# KiCad board input-output.Multi.kicad_pcb
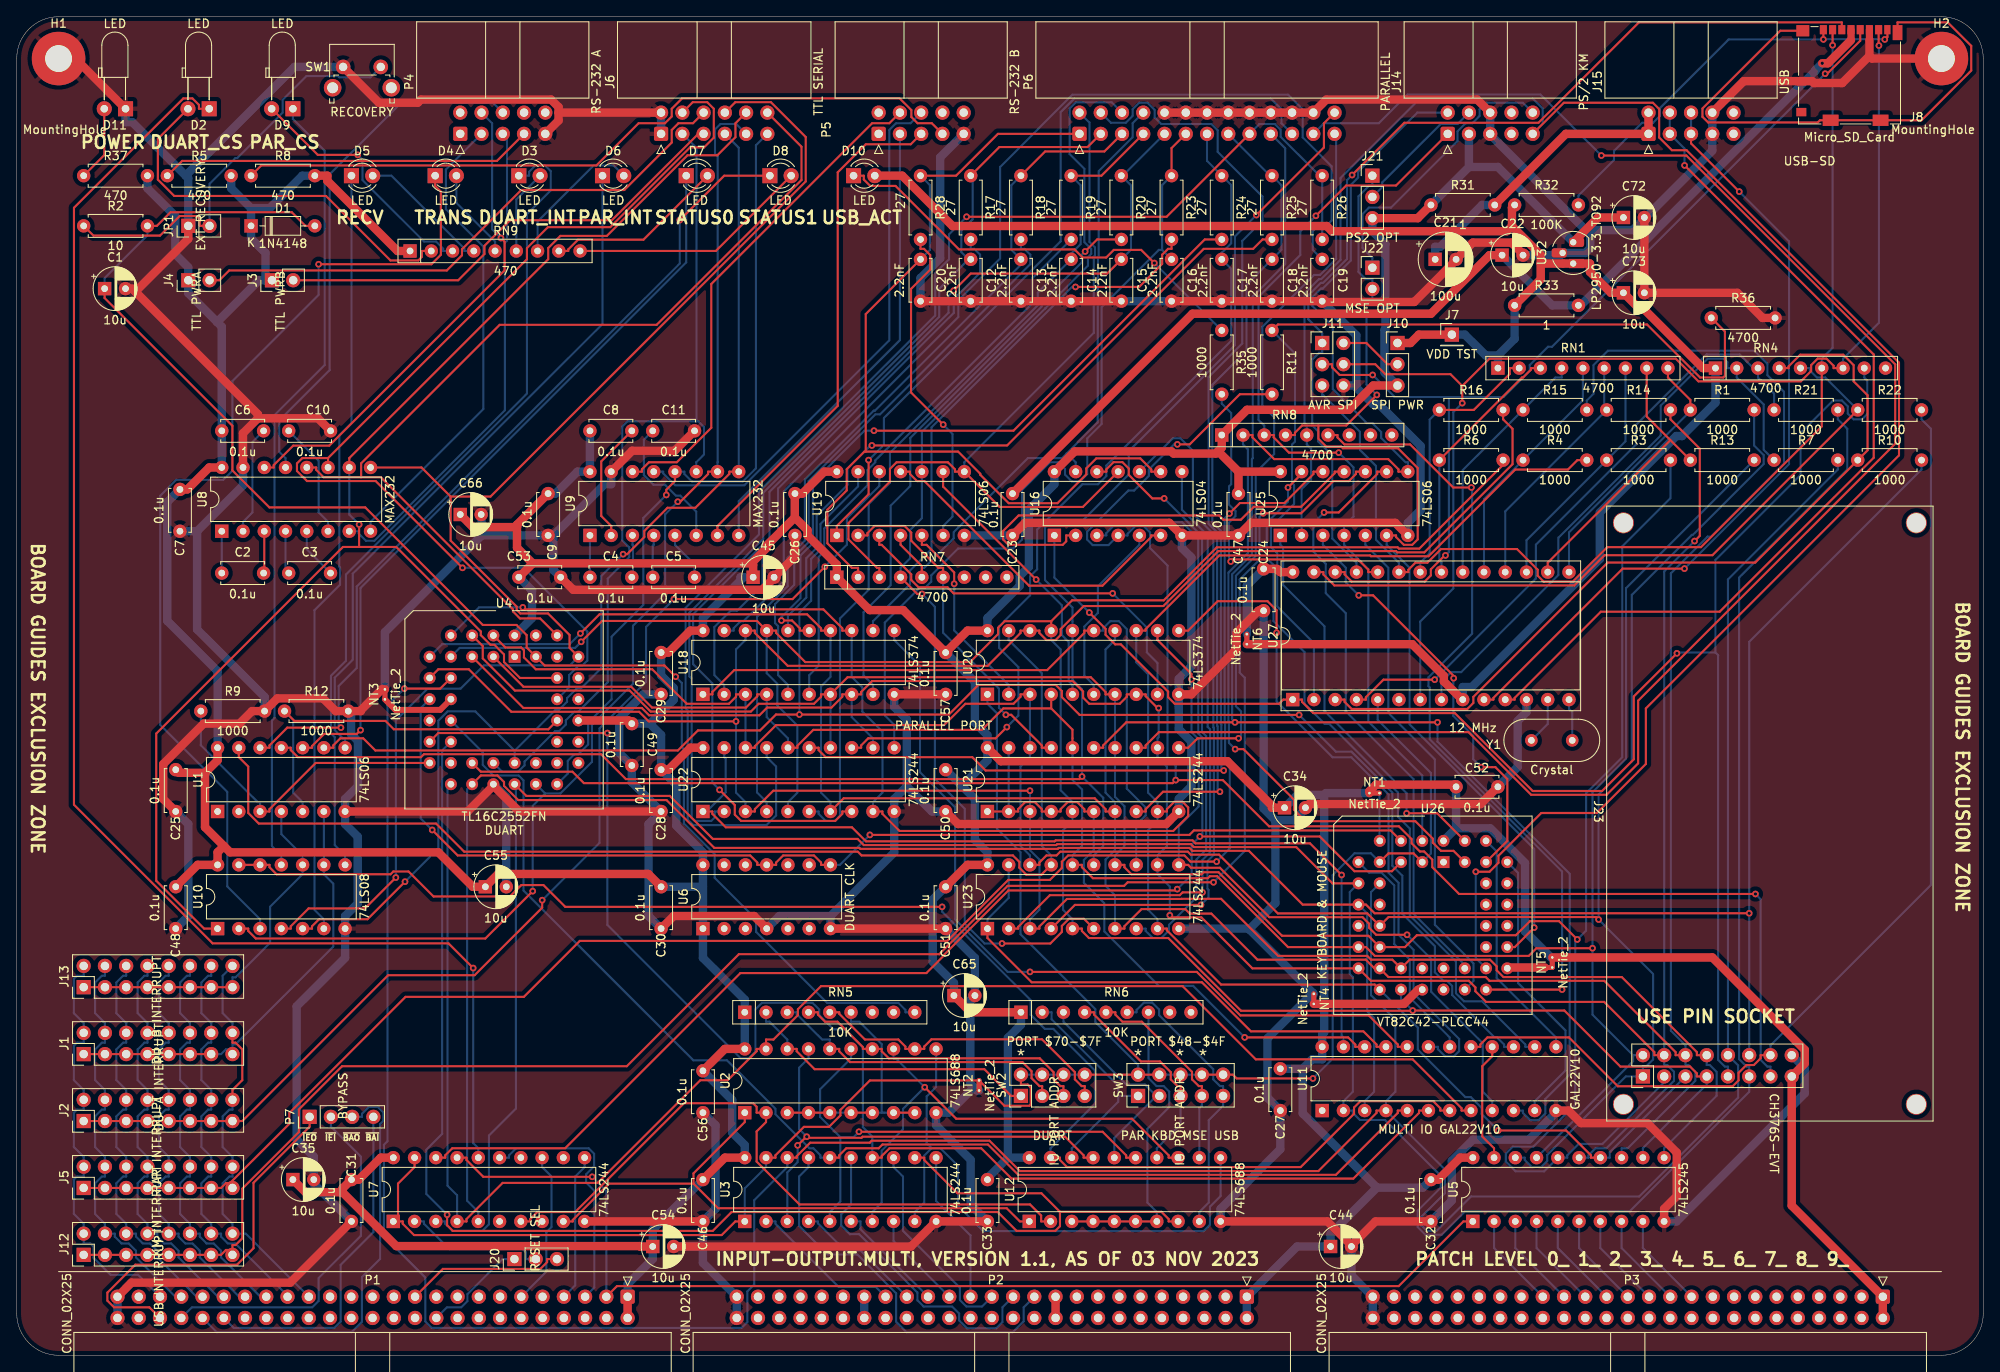
[diagram p0: board, top side]
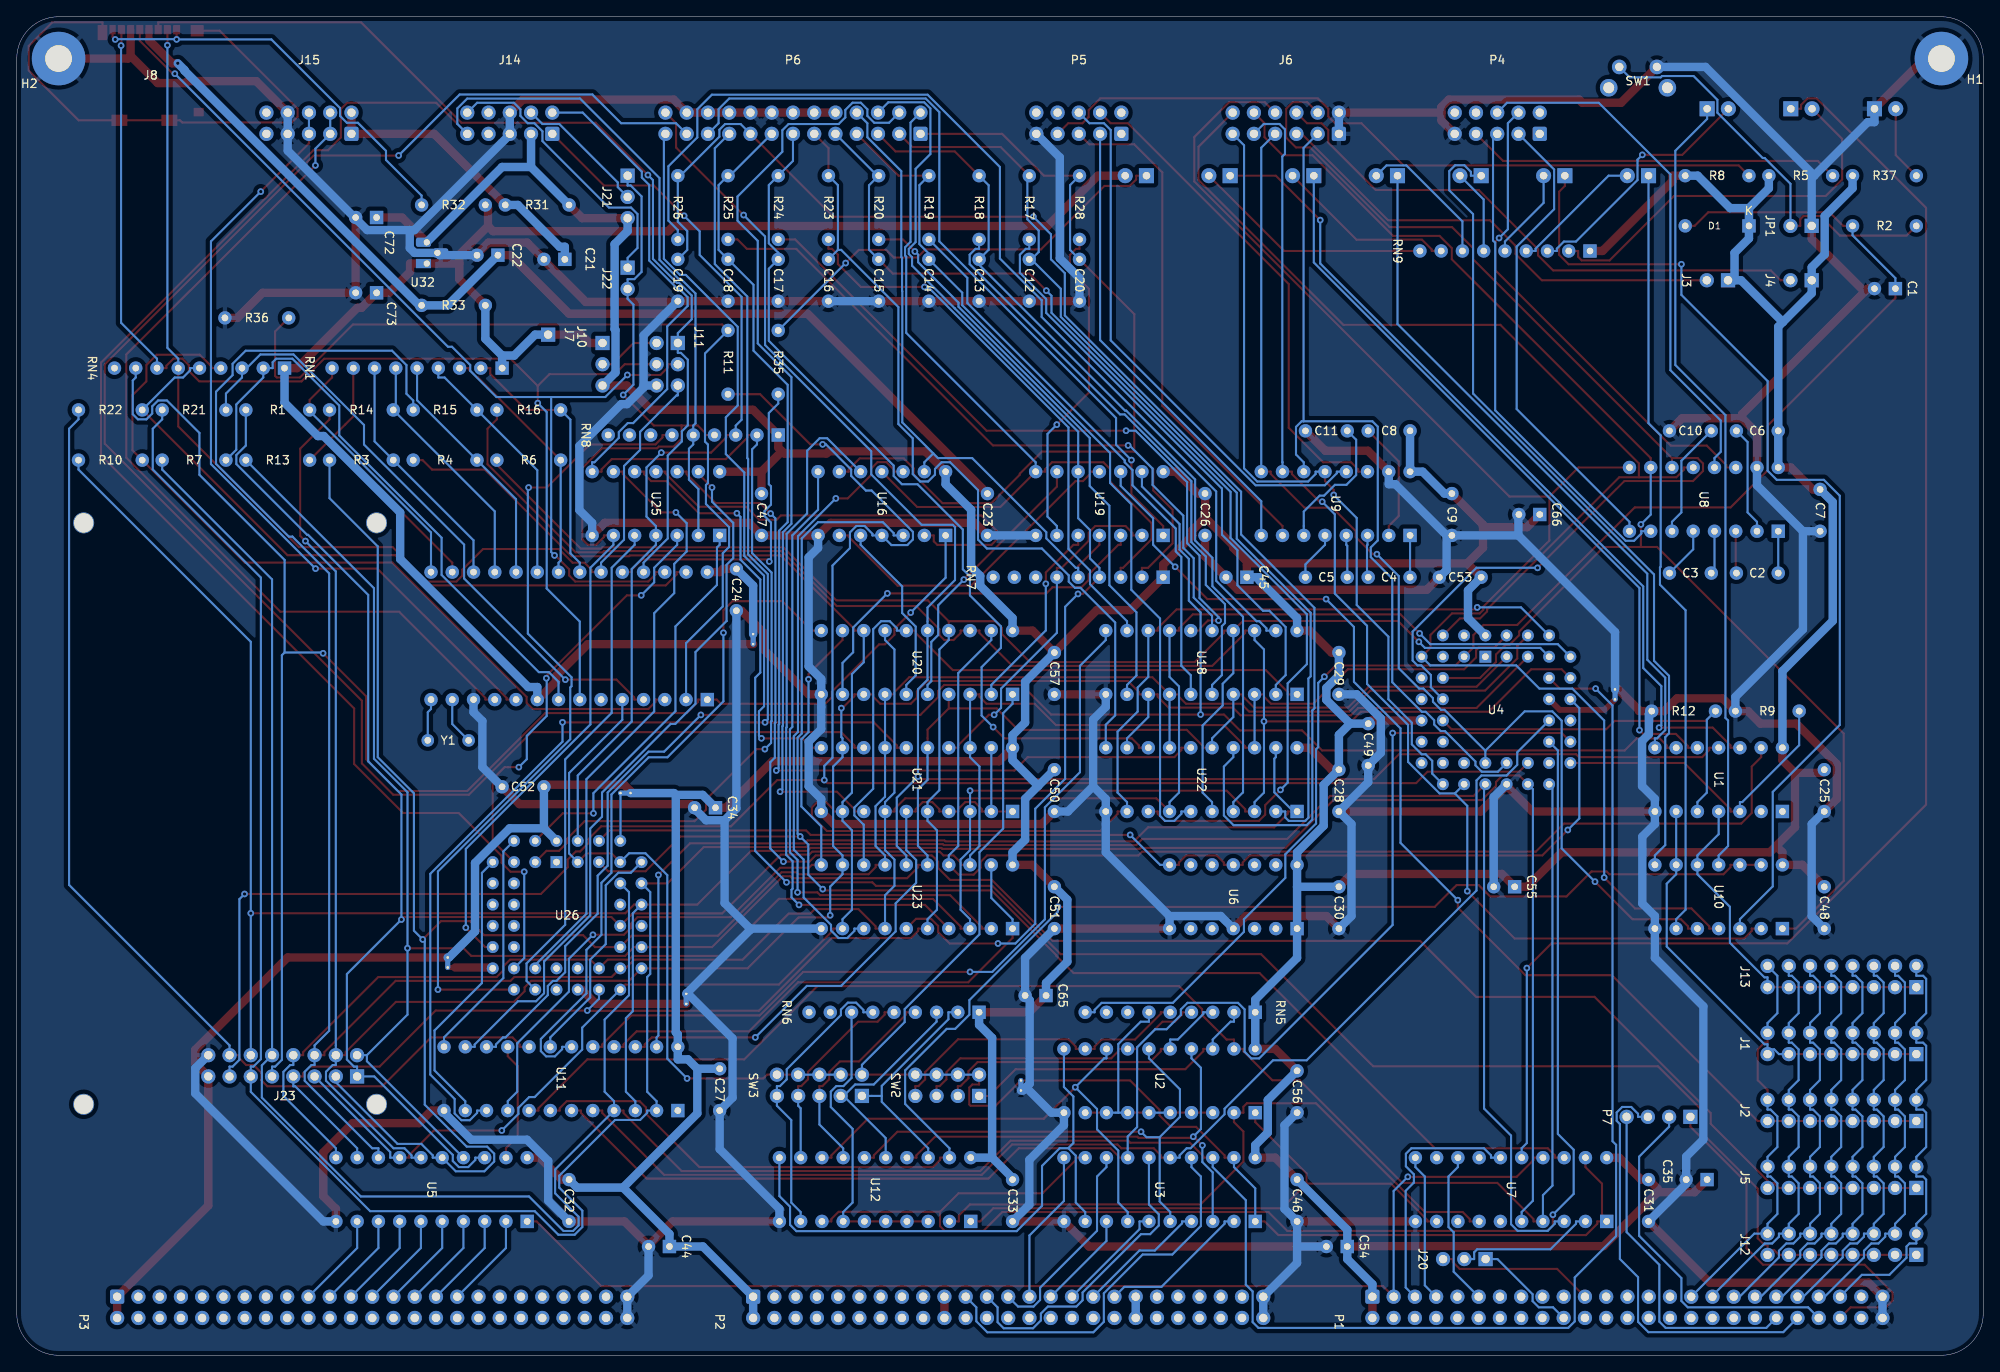
[diagram p1: board, bottom side, seen from below]

Outline 235 x 160 mm; copper layers: Top, Bottom. Coordinates in mm from the lower left corner of the outline.
Outline path: 0,155 0,5 arc(1.46,1.46) 5,0 230,0 arc(233.54,1.46) 235,5 235,155 arc(233.54,158.54) 230,160 5,160 arc(1.46,158.54) 0,155
Stack: Top 0.035mm / dielectric 1.51mm FR4 er 4.5 / Bottom 0.035mm

## Placement (name value [footprint] x y rotation side)
C1  10u  [CP_Radial_D5.0mm_P2.50mm]  10.5 127.5 0 top
C2  0.1u  [C_Disc_D5.0mm_W2.5mm_P5.00mm]  24.5 93.5 0 top
C3  0.1u  [C_Disc_D5.0mm_W2.5mm_P5.00mm]  32.5 93.5 0 top
C4  0.1u  [C_Disc_D5.0mm_W2.5mm_P5.00mm]  68.5 93 0 top
C5  0.1u  [C_Disc_D5.0mm_W2.5mm_P5.00mm]  76 93 0 top
C6  0.1u  [C_Disc_D5.0mm_W2.5mm_P5.00mm]  24.5 110.5 0 top
C7  0.1u  [C_Disc_D5.0mm_W2.5mm_P5.00mm]  19.5 103.5 270 top
C8  0.1u  [C_Disc_D5.0mm_W2.5mm_P5.00mm]  68.5 110.5 0 top
C9  0.1u  [C_Disc_D5.0mm_W2.5mm_P5.00mm]  63.5 103 270 top
C10  0.1u  [C_Disc_D5.0mm_W2.5mm_P5.00mm]  32.5 110.5 0 top
C11  0.1u  [C_Disc_D5.0mm_W2.5mm_P5.00mm]  76 110.5 0 top
C12  2.2nF  [C_Disc_D5.0mm_W2.5mm_P5.00mm]  114 131 270 top
C13  2.2nF  [C_Disc_D5.0mm_W2.5mm_P5.00mm]  120 131 270 top
C14  2.2nF  [C_Disc_D5.0mm_W2.5mm_P5.00mm]  126 131 270 top
C15  2.2nF  [C_Disc_D5.0mm_W2.5mm_P5.00mm]  132 131 270 top
C16  2.2nF  [C_Disc_D5.0mm_W2.5mm_P5.00mm]  138 131 270 top
C17  2.2nF  [C_Disc_D5.0mm_W2.5mm_P5.00mm]  144 131 270 top
C18  2.2nF  [C_Disc_D5.0mm_W2.5mm_P5.00mm]  150 131 270 top
C19  2.2nF  [C_Disc_D5.0mm_W2.5mm_P5.00mm]  156 131 270 top
C20  2.2nF  [C_Disc_D5.0mm_W2.5mm_P5.00mm]  108 131 270 top
C21  100u  [CP_Radial_D6.3mm_P2.50mm]  169.5 131 0 top
C22  10u  [CP_Radial_D5.0mm_P2.50mm]  177.5 131.5 0 top
C23  0.1u  [C_Disc_D5.0mm_W2.5mm_P5.00mm]  119 103 270 top
C24  0.1u  [C_Disc_D5.0mm_W2.5mm_P5.00mm]  149 94 270 top
C25  0.1u  [C_Disc_D5.0mm_W2.5mm_P5.00mm]  19 70 270 top
C26  0.1u  [C_Disc_D5.0mm_W2.5mm_P5.00mm]  93 103 270 top
C27  0.1u  [C_Disc_D5.0mm_W2.5mm_P5.00mm]  151 34.25 270 top
C28  0.1u  [C_Disc_D5.0mm_W2.5mm_P5.00mm]  77 70 270 top
C29  0.1u  [C_Disc_D5.0mm_W2.5mm_P5.00mm]  77 84 270 top
C30  0.1u  [C_Disc_D5.0mm_W2.5mm_P5.00mm]  77 56 270 top
C31  0.1u  [C_Disc_D5.0mm_W2.5mm_P5.00mm]  40 21 270 top
C32  0.1u  [C_Disc_D5.0mm_W2.5mm_P5.00mm]  169 21 270 top
C33  0.1u  [C_Disc_D5.0mm_W2.5mm_P5.00mm]  116 21 270 top
C34  10u  [CP_Radial_D5.0mm_P2.50mm]  151.5 65.45 0 top
C35  10u  [CP_Radial_D5.0mm_P2.50mm]  33 21 0 top
C44  10u  [CP_Radial_D5.0mm_P2.50mm]  157 13 0 top
C45  10u  [CP_Radial_D5.0mm_P2.50mm]  88 93 0 top
C46  0.1u  [C_Disc_D5.0mm_W2.5mm_P5.00mm]  82 21 270 top
C47  0.1u  [C_Disc_D5.0mm_W2.5mm_P5.00mm]  146 103 270 top
C48  0.1u  [C_Disc_D5.0mm_W2.5mm_P5.00mm]  19 56 270 top
C49  0.1u  [C_Disc_D5.0mm_W2.5mm_P5.00mm]  73.5 75.5 270 top
C50  0.1u  [C_Disc_D5.0mm_W2.5mm_P5.00mm]  111 70 270 top
C51  0.1u  [C_Disc_D5.0mm_W2.5mm_P5.00mm]  111 56 270 top
C52  0.1u  [C_Disc_D5.0mm_W2.5mm_P5.00mm]  172 67.95 0 top
C53  0.1u  [C_Disc_D5.0mm_W2.5mm_P5.00mm]  60 93 0 top
C54  10u  [CP_Radial_D5.0mm_P2.50mm]  76 13 0 top
C55  10u  [CP_Radial_D5.0mm_P2.50mm]  56 56 0 top
C56  0.1u  [C_Disc_D5.0mm_W2.5mm_P5.00mm]  82 34 270 top
C57  0.1u  [C_Disc_D5.0mm_W2.5mm_P5.00mm]  111 84 270 top
C65  10u  [CP_Radial_D5.0mm_P2.50mm]  112 43 0 top
C66  10u  [CP_Radial_D5.0mm_P2.50mm]  53 100.5 0 top
C72  10u  [CP_Radial_D5.0mm_P2.50mm]  192 136 0 top
C73  10u  [CP_Radial_D5.0mm_P2.50mm]  192 127 0 top
D1  1N4148  [D_DO-35_SOD27_P7.62mm_Horizontal]  28 135 0 top
D2  LED  [LED_D3.0mm_Horizontal_O3.81mm_Z2.0mm]  23 149 180 top
D3  LED  [LED_D3.0mm]  60 141 0 top
D4  LED  [LED_D3.0mm]  50 141 0 top
D5  LED  [LED_D3.0mm]  40 141 0 top
D6  LED  [LED_D3.0mm]  70 141 0 top
D7  LED  [LED_D3.0mm]  80 141 0 top
D8  LED  [LED_D3.0mm]  90 141 0 top
D9  LED  [LED_D3.0mm_Horizontal_O3.81mm_Z2.0mm]  33 149 180 top
D10  LED  [LED_D3.0mm]  100 141 0 top
D11  LED  [LED_D3.0mm_Horizontal_O3.81mm_Z2.0mm]  13 149 180 top
H1  MountingHole  [MountingHole_3.2mm_M3_Pad]  5 155 0 top
H2  MountingHole  [MountingHole_3.2mm_M3_Pad]  230 155 0 top
J1  DU-A INTERRUPT  [PinHeader_2x08_P2.54mm_Vertical]  8 36 90 top
J2  PAR INTERRUPT  [PinHeader_2x08_P2.54mm_Vertical]  8 28 90 top
J3  TTL PWRB  [PinHeader_1x02_P2.54mm_Vertical]  30.5 128.5 90 top
J4  TTL PWRA  [PinHeader_1x02_P2.54mm_Vertical]  20.5 128.5 90 top
J5  KM INTERRUPT  [PinHeader_2x08_P2.54mm_Vertical]  8 20 90 top
J6  TTL SERIAL  [IDC-Header_2x06_P2.54mm_Horizontal]  77 146 90 top
J7  VDD TST  [PinHeader_1x01_P2.54mm_Vertical]  171.5 122 0 top
J8  Micro_SD_Card  [microSD_HC_Molex_104031-0811]  219 153 0 top
J10  SPI PWR  [PinHeader_1x03_P2.54mm_Vertical]  165 121 0 top
J11  AVR SPI  [PinHeader_2x03_P2.54mm_Vertical]  156 121 0 top
J12  USB INTERRUPT  [PinHeader_2x08_P2.54mm_Vertical]  8 12 90 top
J13  DU-B INTERRUPT  [PinHeader_2x08_P2.54mm_Vertical]  8 44 90 top
J14  PS/2 KM  [IDC-Header_2x05_P2.54mm_Horizontal]  171 146 90 top
J15  USB  [IDC-Header_2x05_P2.54mm_Horizontal]  195 146 90 top
J20  RESET SEL  [PinHeader_1x03_P2.54mm_Vertical]  59.47 11.5 90 top
J21  PS2 OPT  [PinHeader_1x03_P2.54mm_Vertical]  162 141 0 top
J22  MSE OPT  [PinHeader_1x02_P2.54mm_Vertical]  162 130 0 top
J23  -  [CH376S-EVT]  210 65 270 top
JP1  EXT RECOVERY  [PinHeader_1x02_P2.54mm_Vertical]  20.5 135 90 top
NT1  NetTie_2  [NetTie-2_THT_Pad0.3mm]  161.65 67.2 0 top
NT2  NetTie_2  [NetTie-2_THT_Pad0.3mm]  115 31.65 90 top
NT3  NetTie_2  [NetTie-2_THT_Pad0.3mm]  44 78.4 90 top
NT4  NetTie_2  [NetTie-2_THT_Pad0.3mm]  155 43.2 270 top
NT5  NetTie_2  [NetTie-2_THT_Pad0.3mm]  183.5 46.35 90 top
NT6  NetTie_2  [NetTie-2_THT_Pad0.3mm]  147 86.2 270 top
P1  CONN_02X25  [IDC-Header_2x25_P2.54mm_Horizontal]  73 7 270 top
P2  CONN_02X25  [IDC-Header_2x25_P2.54mm_Horizontal]  147 7 270 top
P3  CONN_02X25  [IDC-Header_2x25_P2.54mm_Horizontal]  223 7 270 top
P4  RS-232 A  [IDC-Header_2x05_P2.54mm_Horizontal]  53 146 90 top
P5  RS-232 B  [IDC-Header_2x05_P2.54mm_Horizontal]  103 146 90 top
P6  PARALLEL  [IDC-Header_2x13_P2.54mm_Horizontal]  127 146 90 top
P7  BYPASS  [PinHeader_1x04_P2.54mm_Vertical]  35 28.5 90 top
R1  1000  [R_Axial_DIN0207_L6.3mm_D2.5mm_P7.62mm_Horizontal]  200 113 0 top
R2  10  [R_Axial_DIN0207_L6.3mm_D2.5mm_P7.62mm_Horizontal]  8 135 0 top
R3  1000  [R_Axial_DIN0207_L6.3mm_D2.5mm_P7.62mm_Horizontal]  190 107 0 top
R4  1000  [R_Axial_DIN0207_L6.3mm_D2.5mm_P7.62mm_Horizontal]  180 107 0 top
R5  470  [R_Axial_DIN0207_L6.3mm_D2.5mm_P7.62mm_Horizontal]  18 141 0 top
R6  1000  [R_Axial_DIN0207_L6.3mm_D2.5mm_P7.62mm_Horizontal]  170 107 0 top
R7  1000  [R_Axial_DIN0207_L6.3mm_D2.5mm_P7.62mm_Horizontal]  210 107 0 top
R8  470  [R_Axial_DIN0207_L6.3mm_D2.5mm_P7.62mm_Horizontal]  28 141 0 top
R9  1000  [R_Axial_DIN0207_L6.3mm_D2.5mm_P7.62mm_Horizontal]  22 77 0 top
R10  1000  [R_Axial_DIN0207_L6.3mm_D2.5mm_P7.62mm_Horizontal]  220 107 0 top
R11  1000  [R_Axial_DIN0207_L6.3mm_D2.5mm_P7.62mm_Horizontal]  150 122.5 270 top
R12  1000  [R_Axial_DIN0207_L6.3mm_D2.5mm_P7.62mm_Horizontal]  32 77 0 top
R13  1000  [R_Axial_DIN0207_L6.3mm_D2.5mm_P7.62mm_Horizontal]  200 107 0 top
R14  1000  [R_Axial_DIN0207_L6.3mm_D2.5mm_P7.62mm_Horizontal]  190 113 0 top
R15  1000  [R_Axial_DIN0207_L6.3mm_D2.5mm_P7.62mm_Horizontal]  180 113 0 top
R16  1000  [R_Axial_DIN0207_L6.3mm_D2.5mm_P7.62mm_Horizontal]  170 113 0 top
R17  27  [R_Axial_DIN0207_L6.3mm_D2.5mm_P7.62mm_Horizontal]  114 141 270 top
R18  27  [R_Axial_DIN0207_L6.3mm_D2.5mm_P7.62mm_Horizontal]  120 141 270 top
R19  27  [R_Axial_DIN0207_L6.3mm_D2.5mm_P7.62mm_Horizontal]  126 141 270 top
R20  27  [R_Axial_DIN0207_L6.3mm_D2.5mm_P7.62mm_Horizontal]  132 141 270 top
R21  1000  [R_Axial_DIN0207_L6.3mm_D2.5mm_P7.62mm_Horizontal]  210 113 0 top
R22  1000  [R_Axial_DIN0207_L6.3mm_D2.5mm_P7.62mm_Horizontal]  220 113 0 top
R23  27  [R_Axial_DIN0207_L6.3mm_D2.5mm_P7.62mm_Horizontal]  138 141 270 top
R24  27  [R_Axial_DIN0207_L6.3mm_D2.5mm_P7.62mm_Horizontal]  144 141 270 top
R25  27  [R_Axial_DIN0207_L6.3mm_D2.5mm_P7.62mm_Horizontal]  150 141 270 top
R26  27  [R_Axial_DIN0207_L6.3mm_D2.5mm_P7.62mm_Horizontal]  156 141 270 top
R28  27  [R_Axial_DIN0207_L6.3mm_D2.5mm_P7.62mm_Horizontal]  108 141 270 top
R31  1  [R_Axial_DIN0207_L6.3mm_D2.5mm_P7.62mm_Horizontal]  169 137.5 0 top
R32  100K  [R_Axial_DIN0207_L6.3mm_D2.5mm_P7.62mm_Horizontal]  179 137.5 0 top
R33  1  [R_Axial_DIN0207_L6.3mm_D2.5mm_P7.62mm_Horizontal]  179 125.5 0 top
R35  1000  [R_Axial_DIN0207_L6.3mm_D2.5mm_P7.62mm_Horizontal]  144 122.5 270 top
R36  4700  [R_Axial_DIN0207_L6.3mm_D2.5mm_P7.62mm_Horizontal]  202.5 124 0 top
R37  470  [R_Axial_DIN0207_L6.3mm_D2.5mm_P7.62mm_Horizontal]  8 141 0 top
RN1  4700  [R_Array_SIP9]  177 118 0 top
RN4  4700  [R_Array_SIP9]  203 118 0 top
RN5  10K  [R_Array_SIP9]  87 41 0 top
RN6  10K  [R_Array_SIP9]  120 41 0 top
RN7  4700  [R_Array_SIP9]  98 93 0 top
RN8  4700  [R_Array_SIP9]  144 110 0 top
RN9  470  [R_Array_SIP9]  47 132 0 top
SW1  RECOVERY  [SW_Tactile_SPST_Angled_PTS645Vx58-2LFS]  39 154 0 top
SW2  IO PORT ADDR  [PinHeader_2x04_P2.54mm_Vertical]  120 31 90 top
SW3  IO PORT ADDR  [PinHeader_2x05_P2.54mm_Vertical]  134 31 90 top
U1  74LS06  [DIP-14_W7.62mm]  24 65 90 top
U2  74LS688  [DIP-20_W7.62mm]  87 29 90 top
U3  74LS244  [DIP-20_W7.62mm]  87 16 90 top
U4  TL16C2552FN  [PLCC-44_THT-Socket]  59.5 83.5 0 top
U5  74LS245  [DIP-20_W7.62mm]  174 16 90 top
U6  DUART CLK  [DIP-14_W7.62mm]  82 51 90 top
U7  74LS244  [DIP-20_W7.62mm]  45 16 90 top
U8  MAX232  [DIP-16_W7.62mm]  24.5 98.5 90 top
U9  MAX232  [DIP-16_W7.62mm]  68.5 98 90 top
U10  74LS08  [DIP-14_W7.62mm]  24 51 90 top
U11  GAL22V10  [DIP-24_W7.62mm]  156 29.25 90 top
U12  74LS688  [DIP-20_W7.62mm]  121 16 90 top
U16  74LS04  [DIP-14_W7.62mm]  124 98 90 top
U18  74LS374  [DIP-20_W7.62mm]  82 79 90 top
U19  74LS06  [DIP-14_W7.62mm]  98 98 90 top
U20  74LS374  [DIP-20_W7.62mm]  116 79 90 top
U21  74LS244  [DIP-20_W7.62mm]  116 65 90 top
U22  74LS244  [DIP-20_W7.62mm]  82 65 90 top
U23  74LS244  [DIP-20_W7.62mm]  116 51 90 top
U25  74LS06  [DIP-14_W7.62mm]  151 98 90 top
U26  VT82C42-PLCC44  [PLCC-44_THT-Socket]  170.5 58.95 0 top
U27  CH376S  [DIP-28_W15.24mm_Socket]  152.47 78.38 90 top
U32  LP2950-3.3_TO92  [TO-92_HandSolder]  186 130.5 90 top
Y1  Crystal  [Crystal_HC49-4H_Vertical]  181 73.5 0 top

## Footprints (pads in the part's own frame, mm; a bottom-side part is the same pattern mirrored in y, then rotated)
C_Disc_D5.0mm_W2.5mm_P5.00mm
  round 1.6 hole 0.8: 1(0,0) 2(5,0)
CH376S-EVT
  round 2.5 hole 2.3 unplated: (-34.5,17) (-34.5,-18) (35,17) (35,-18)
  rect 1.7x1.7 hole 1: 1(31.67,-15.67)
  oval 1.7x1.7 hole 1: 2(29.13,-15.67) 3(31.67,-13.13) 4(29.13,-13.13) 5(31.67,-10.59) 6(29.13,-10.59) 7(31.67,-8.05) 8(29.13,-8.05) 9(31.67,-5.51) 10(29.13,-5.51) 11(31.67,-2.97) 12(29.13,-2.97) 13(31.67,-0.43) 14(29.13,-0.43) 15(31.67,2.11) 16(29.13,2.11)
CP_Radial_D5.0mm_P2.50mm
  rect 1.6x1.6 hole 0.8: 1(0,0)
  round 1.6 hole 0.8: 2(2.5,0)
CP_Radial_D6.3mm_P2.50mm
  rect 1.6x1.6 hole 0.8: 1(0,0)
  round 1.6 hole 0.8: 2(2.5,0)
Crystal_HC49-4H_Vertical
  round 1.5 hole 0.8: 1(0,0) 2(4.88,0)
D_DO-35_SOD27_P7.62mm_Horizontal
  rect 1.6x1.6 hole 0.8: 1(0,0)
  oval 1.6x1.6 hole 0.8: 2(7.62,0)
DIP-14_W7.62mm
  rect 1.6x1.6 hole 0.8: 1(0,0)
  oval 1.6x1.6 hole 0.8: 2(0,-2.54) 3(0,-5.08) 4(0,-7.62) 5(0,-10.16) 6(0,-12.7) 7(0,-15.24) 8(7.62,-15.24) 9(7.62,-12.7) 10(7.62,-10.16) 11(7.62,-7.62) 12(7.62,-5.08) 13(7.62,-2.54) 14(7.62,0)
DIP-16_W7.62mm
  rect 1.6x1.6 hole 0.8: 1(0,0)
  oval 1.6x1.6 hole 0.8: 2(0,-2.54) 3(0,-5.08) 4(0,-7.62) 5(0,-10.16) 6(0,-12.7) 7(0,-15.24) 8(0,-17.78) 9(7.62,-17.78) 10(7.62,-15.24) 11(7.62,-12.7) 12(7.62,-10.16) 13(7.62,-7.62) 14(7.62,-5.08) 15(7.62,-2.54) 16(7.62,0)
DIP-20_W7.62mm
  rect 1.6x1.6 hole 0.8: 1(0,0)
  oval 1.6x1.6 hole 0.8: 2(0,-2.54) 3(0,-5.08) 4(0,-7.62) 5(0,-10.16) 6(0,-12.7) 7(0,-15.24) 8(0,-17.78) 9(0,-20.32) 10(0,-22.86) 11(7.62,-22.86) 12(7.62,-20.32) 13(7.62,-17.78) 14(7.62,-15.24) 15(7.62,-12.7) 16(7.62,-10.16) 17(7.62,-7.62) 18(7.62,-5.08) 19(7.62,-2.54) 20(7.62,0)
DIP-24_W7.62mm
  rect 1.6x1.6 hole 0.8: 1(0,0)
  oval 1.6x1.6 hole 0.8: 2(0,-2.54) 3(0,-5.08) 4(0,-7.62) 5(0,-10.16) 6(0,-12.7) 7(0,-15.24) 8(0,-17.78) 9(0,-20.32) 10(0,-22.86) 11(0,-25.4) 12(0,-27.94) 13(7.62,-27.94) 14(7.62,-25.4) 15(7.62,-22.86) 16(7.62,-20.32) 17(7.62,-17.78) 18(7.62,-15.24) 19(7.62,-12.7) 20(7.62,-10.16) 21(7.62,-7.62) 22(7.62,-5.08) 23(7.62,-2.54) 24(7.62,0)
DIP-28_W15.24mm_Socket
  rect 1.6x1.6 hole 0.8: 1(0,0)
  oval 1.6x1.6 hole 0.8: 2(0,-2.54) 3(0,-5.08) 4(0,-7.62) 5(0,-10.16) 6(0,-12.7) 7(0,-15.24) 8(0,-17.78) 9(0,-20.32) 10(0,-22.86) 11(0,-25.4) 12(0,-27.94) 13(0,-30.48) 14(0,-33.02) 15(15.24,-33.02) 16(15.24,-30.48) 17(15.24,-27.94) 18(15.24,-25.4) 19(15.24,-22.86) 20(15.24,-20.32) 21(15.24,-17.78) 22(15.24,-15.24) 23(15.24,-12.7) 24(15.24,-10.16) 25(15.24,-7.62) 26(15.24,-5.08) 27(15.24,-2.54) 28(15.24,0)
IDC-Header_2x05_P2.54mm_Horizontal
  rrect 1.7x1.7 hole 1: 1(0,0)
  round 1.7 hole 1: 2(2.54,0) 3(0,-2.54) 4(2.54,-2.54) 5(0,-5.08) 6(2.54,-5.08) 7(0,-7.62) 8(2.54,-7.62) 9(0,-10.16) 10(2.54,-10.16)
IDC-Header_2x06_P2.54mm_Horizontal
  rrect 1.7x1.7 hole 1: 1(0,0)
  round 1.7 hole 1: 2(2.54,0) 3(0,-2.54) 4(2.54,-2.54) 5(0,-5.08) 6(2.54,-5.08) 7(0,-7.62) 8(2.54,-7.62) 9(0,-10.16) 10(2.54,-10.16) 11(0,-12.7) 12(2.54,-12.7)
IDC-Header_2x13_P2.54mm_Horizontal
  rrect 1.7x1.7 hole 1: 1(0,0)
  round 1.7 hole 1: 2(2.54,0) 3(0,-2.54) 4(2.54,-2.54) 5(0,-5.08) 6(2.54,-5.08) 7(0,-7.62) 8(2.54,-7.62) 9(0,-10.16) 10(2.54,-10.16) 11(0,-12.7) 12(2.54,-12.7) 13(0,-15.24) 14(2.54,-15.24) 15(0,-17.78) 16(2.54,-17.78) 17(0,-20.32) 18(2.54,-20.32) 19(0,-22.86) 20(2.54,-22.86) 21(0,-25.4) 22(2.54,-25.4) 23(0,-27.94) 24(2.54,-27.94) 25(0,-30.48) 26(2.54,-30.48)
IDC-Header_2x25_P2.54mm_Horizontal
  rrect 1.7x1.7 hole 1: 1(0,0)
  round 1.7 hole 1: 2(2.54,0) 3(0,-2.54) 4(2.54,-2.54) 5(0,-5.08) 6(2.54,-5.08) 7(0,-7.62) 8(2.54,-7.62) 9(0,-10.16) 10(2.54,-10.16) 11(0,-12.7) 12(2.54,-12.7) 13(0,-15.24) 14(2.54,-15.24) 15(0,-17.78) 16(2.54,-17.78) 17(0,-20.32) 18(2.54,-20.32) 19(0,-22.86) 20(2.54,-22.86) 21(0,-25.4) 22(2.54,-25.4) 23(0,-27.94) 24(2.54,-27.94) 25(0,-30.48) 26(2.54,-30.48) 27(0,-33.02) 28(2.54,-33.02) 29(0,-35.56) 30(2.54,-35.56) 31(0,-38.1) 32(2.54,-38.1) 33(0,-40.64) 34(2.54,-40.64) 35(0,-43.18) 36(2.54,-43.18) 37(0,-45.72) 38(2.54,-45.72) 39(0,-48.26) 40(2.54,-48.26) 41(0,-50.8) 42(2.54,-50.8) 43(0,-53.34) 44(2.54,-53.34) 45(0,-55.88) 46(2.54,-55.88) 47(0,-58.42) 48(2.54,-58.42) 49(0,-60.96) 50(2.54,-60.96)
LED_D3.0mm
  rect 1.8x1.8 hole 0.9: 1(0,0)
  round 1.8 hole 0.9: 2(2.54,0)
LED_D3.0mm_Horizontal_O3.81mm_Z2.0mm
  rect 1.8x1.8 hole 0.9: 1(0,0)
  round 1.8 hole 0.9: 2(2.54,0)
microSD_HC_Molex_104031-0811
  rect 0.85x1.1 smd: 1(-3.105,5.45) 2(-2.005,5.45) 3(-0.905,5.45) 4(0.195,5.45) 5(1.295,5.45) 6(2.395,5.45) 7(3.495,5.45)
  rect 0.75x1.1 smd: 8(4.545,5.45)
  rect 1.2x1 smd: 9(-5.74,-0.7) 10(-5.74,-4.4)
  rect 1.55x1.35 smd: 11(-5.565,5.325)
  rect 1.9x1.35 smd: 11(-2.24,-5.375) 11(3.73,-5.375)
  rect 1.17x1.8 smd: 11(5.755,5.1)
MountingHole_3.2mm_M3_Pad
  round 6.4 hole 3.2: 1(0,0)
NetTie-2_THT_Pad0.3mm
  round 0.6 hole 0.3: 1(0,0) 2(1.2,0)
PinHeader_1x01_P2.54mm_Vertical
  rect 1.7x1.7 hole 1: 1(0,0)
PinHeader_1x02_P2.54mm_Vertical
  rect 1.7x1.7 hole 1: 1(0,0)
  oval 1.7x1.7 hole 1: 2(0,-2.54)
PinHeader_1x03_P2.54mm_Vertical
  rect 1.7x1.7 hole 1: 1(0,0)
  oval 1.7x1.7 hole 1: 2(0,-2.54) 3(0,-5.08)
PinHeader_1x04_P2.54mm_Vertical
  rect 1.7x1.7 hole 1: 1(0,0)
  oval 1.7x1.7 hole 1: 2(0,-2.54) 3(0,-5.08) 4(0,-7.62)
PinHeader_2x03_P2.54mm_Vertical
  rect 1.7x1.7 hole 1: 1(0,0)
  oval 1.7x1.7 hole 1: 2(2.54,0) 3(0,-2.54) 4(2.54,-2.54) 5(0,-5.08) 6(2.54,-5.08)
PinHeader_2x04_P2.54mm_Vertical
  rect 1.7x1.7 hole 1: 1(0,0)
  oval 1.7x1.7 hole 1: 2(2.54,0) 3(0,-2.54) 4(2.54,-2.54) 5(0,-5.08) 6(2.54,-5.08) 7(0,-7.62) 8(2.54,-7.62)
PinHeader_2x05_P2.54mm_Vertical
  rect 1.7x1.7 hole 1: 1(0,0)
  oval 1.7x1.7 hole 1: 2(2.54,0) 3(0,-2.54) 4(2.54,-2.54) 5(0,-5.08) 6(2.54,-5.08) 7(0,-7.62) 8(2.54,-7.62) 9(0,-10.16) 10(2.54,-10.16)
PinHeader_2x08_P2.54mm_Vertical
  rect 1.7x1.7 hole 1: 1(0,0)
  oval 1.7x1.7 hole 1: 2(2.54,0) 3(0,-2.54) 4(2.54,-2.54) 5(0,-5.08) 6(2.54,-5.08) 7(0,-7.62) 8(2.54,-7.62) 9(0,-10.16) 10(2.54,-10.16) 11(0,-12.7) 12(2.54,-12.7) 13(0,-15.24) 14(2.54,-15.24) 15(0,-17.78) 16(2.54,-17.78)
PLCC-44_THT-Socket
  rect 1.422x1.422 hole 0.8: 1(0,0)
  round 1.422 hole 0.8: 2(-2.54,2.54) 3(-2.54,0) 4(-5.08,2.54) 5(-5.08,0) 6(-7.62,2.54) 7(-10.16,0) 8(-7.62,0) 9(-10.16,-2.54) 10(-7.62,-2.54) 11(-10.16,-5.08) 12(-7.62,-5.08) 13(-10.16,-7.62) 14(-7.62,-7.62) 15(-10.16,-10.16) 16(-7.62,-10.16) 17(-10.16,-12.7) 18(-7.62,-15.24) 19(-7.62,-12.7) 20(-5.08,-15.24) 21(-5.08,-12.7) 22(-2.54,-15.24) 23(-2.54,-12.7) 24(0,-15.24) 25(0,-12.7) 26(2.54,-15.24) 27(2.54,-12.7) 28(5.08,-15.24) 29(7.62,-12.7) 30(5.08,-12.7) 31(7.62,-10.16) 32(5.08,-10.16) 33(7.62,-7.62) 34(5.08,-7.62) 35(7.62,-5.08) 36(5.08,-5.08) 37(7.62,-2.54) 38(5.08,-2.54) 39(7.62,0) 40(5.08,2.54) 41(5.08,0) 42(2.54,2.54) 43(2.54,0) 44(0,2.54)
R_Array_SIP9
  rect 1.6x1.6 hole 0.8: 1(0,0)
  oval 1.6x1.6 hole 0.8: 2(2.54,0) 3(5.08,0) 4(7.62,0) 5(10.16,0) 6(12.7,0) 7(15.24,0) 8(17.78,0) 9(20.32,0)
R_Axial_DIN0207_L6.3mm_D2.5mm_P7.62mm_Horizontal
  round 1.6 hole 0.8: 1(0,0)
  oval 1.6x1.6 hole 0.8: 2(7.62,0)
SW_Tactile_SPST_Angled_PTS645Vx58-2LFS
  round 2.1 hole 1.3: (-1.25,-2.49) (5.76,-2.49)
  round 1.75 hole 0.99: 1(0,0) 2(4.5,0)
TO-92_HandSolder
  rect 1.1x1.8 hole 0.75: 1(0,0)
  rrect 1.1x1.8 hole 0.75: 2(1.27,1.27) 3(2.54,0)
